# Altium PCB EASY-EAI-Nano-TB V1.01.PCBDOC (part 4 of 7) (continued)
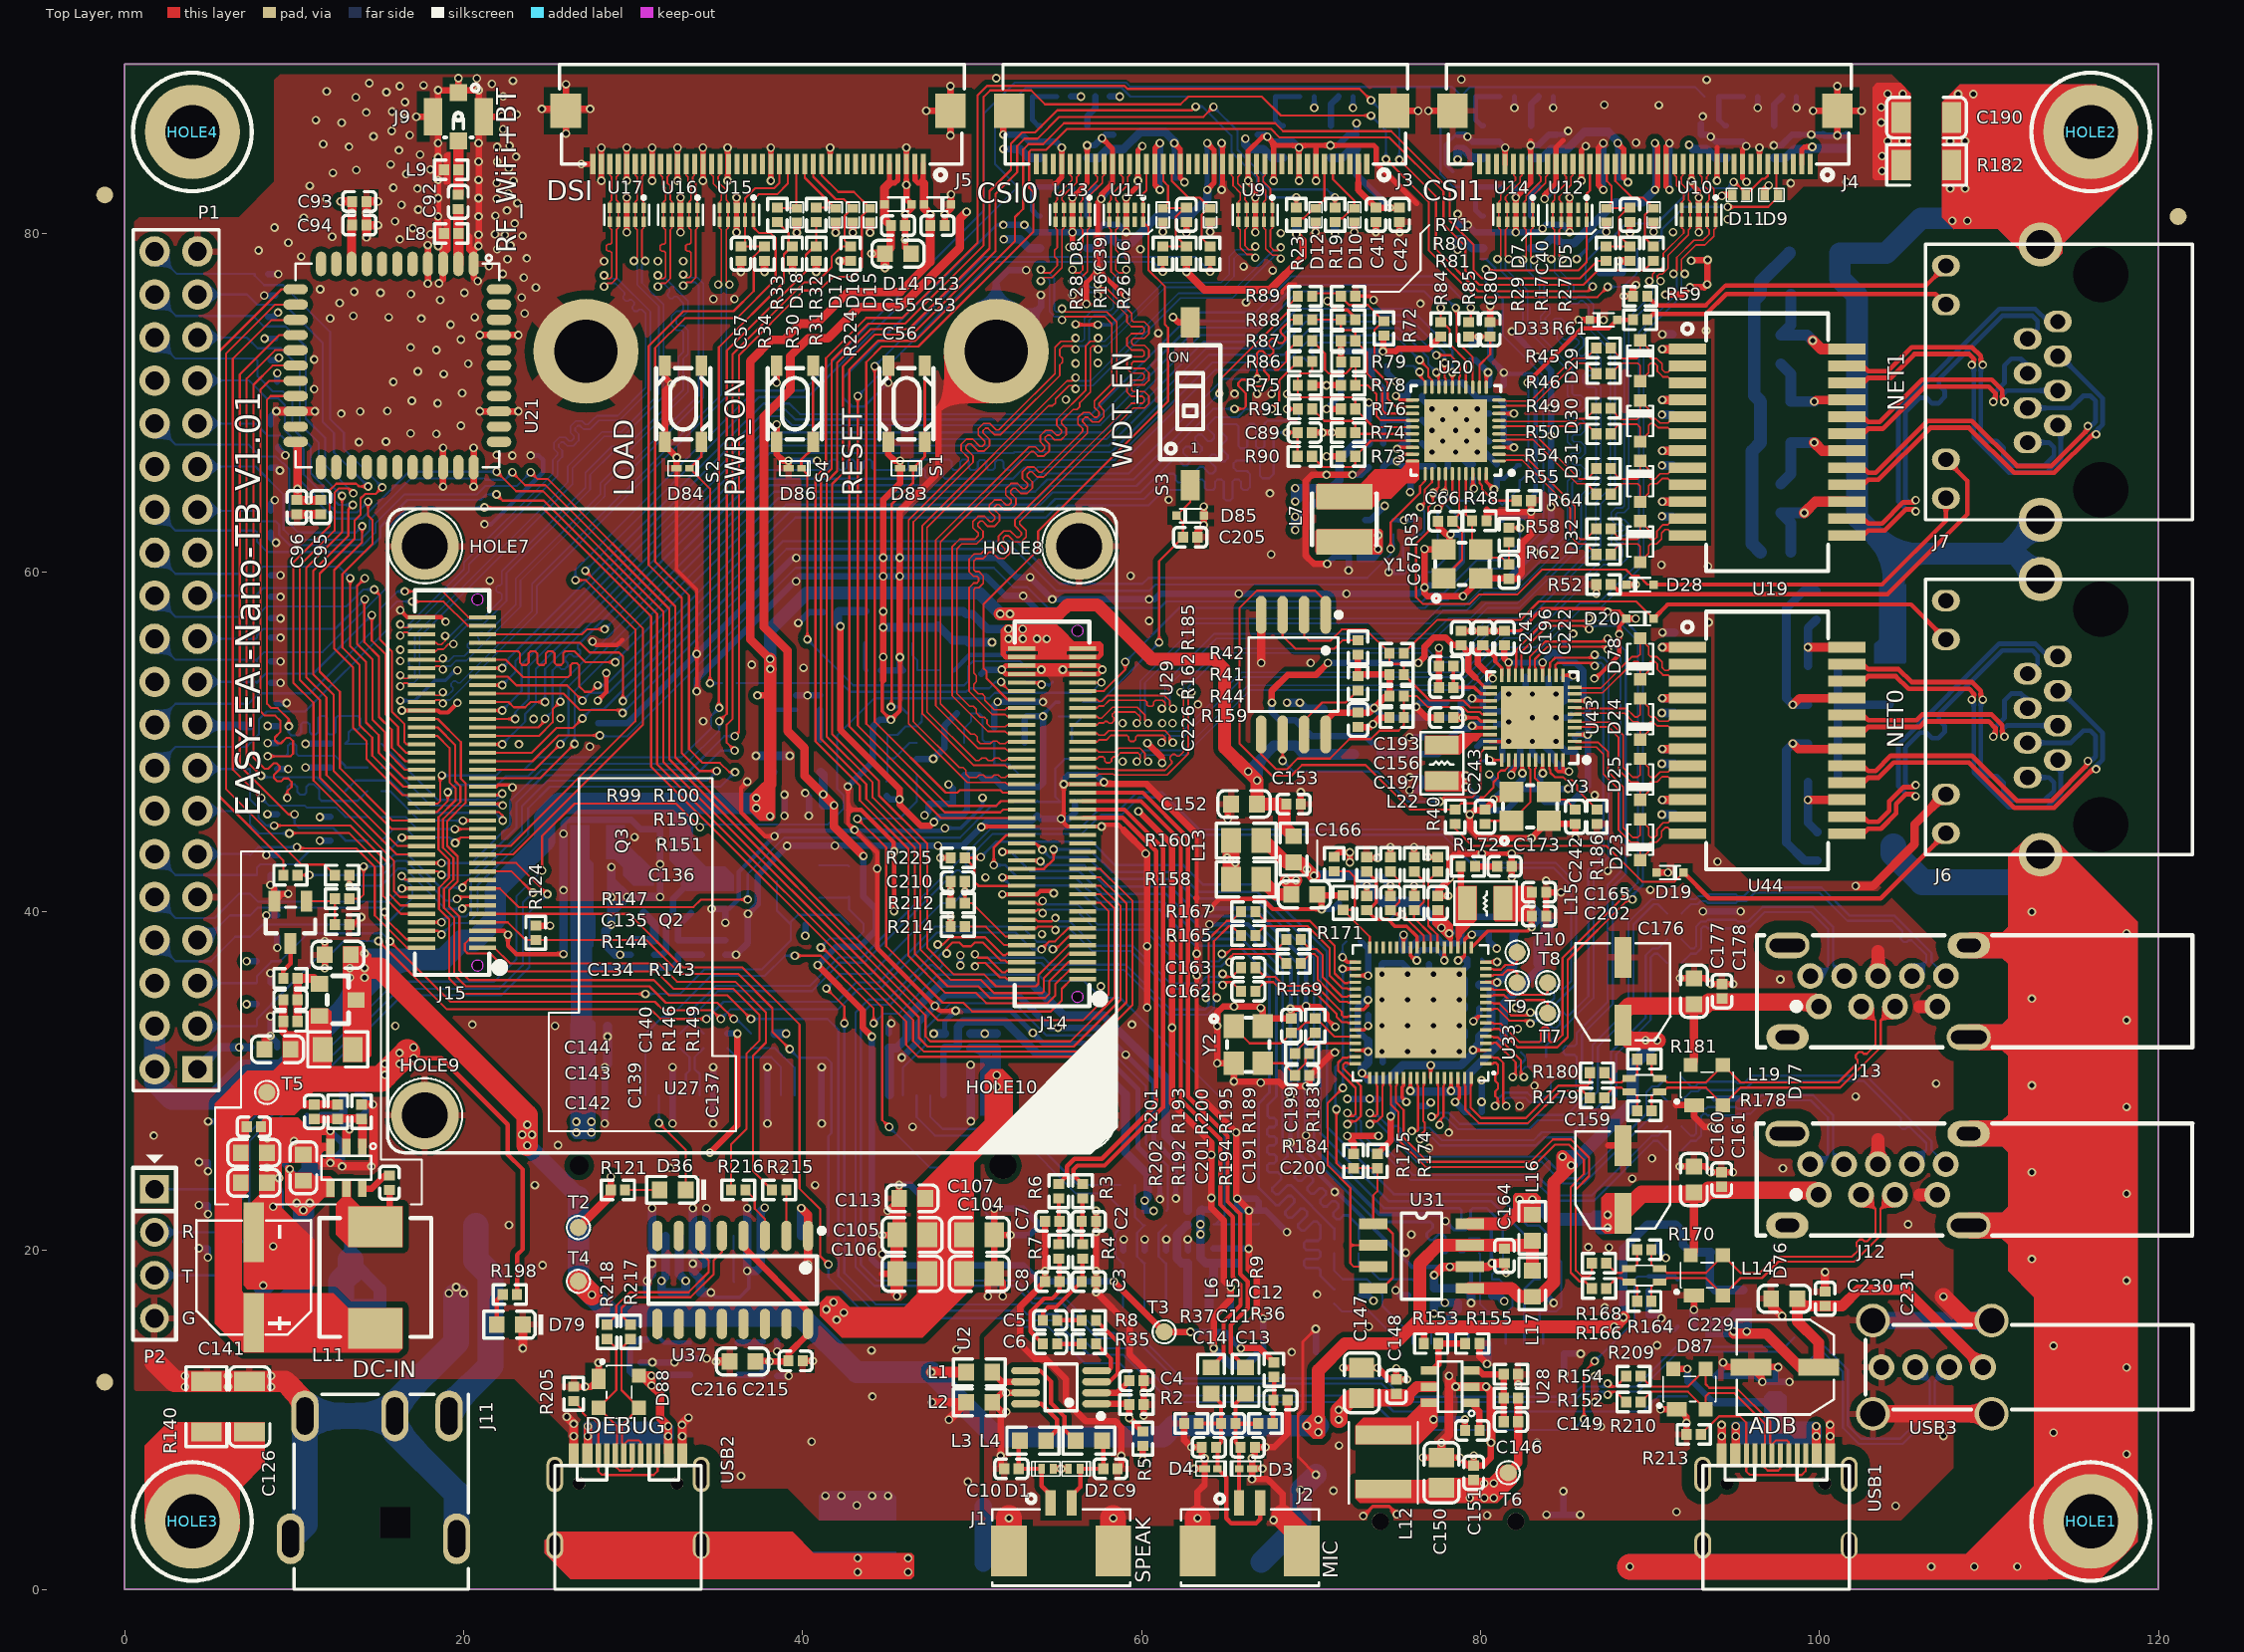
[diagram p0: Top Layer view]
## Nets (pads, with @x,y where several pads share a name; then routed paths per layer and width w, separated by ;. In a path a pad name is that pad's centre, name@x,y a point inside that pad or via, vN(x,y) a via of type N, cw(c..) or ccw(c..) an arc to the next point about the centre after c; other vN are vias at no path point) (continued)
  Bottom Layer w0.127: v1(63.198,87.494) 63.593,87.494 65.304,85.783 65.304,84.82 66.804,83.32 66.804,82.794 67.459,82.139 v1(69.129,82.139) R22.2@69.129,81.528
I2C3_SCL_M2: J15.34 R31.2 R32.1 | length 52.3
  Top Layer w0.127: J15.34@17.524,45.859 18.417,45.859 19.075,46.518 v1(19.075,47.041) ; v1(35.085,51.224) 35.531,51.67 35.531,73.105 40.193,77.767 40.193,78.747 40.687,79.242 R31.2@40.808,79.242 R32.1@40.808,80.678
  Bottom Layer w0.127: v1(19.075,47.041) 19.504,47.469 21.996,47.469 22.507,47.981 23.811,47.981 24.55,48.72 33.131,48.72 35.085,50.674 v1(35.085,51.224)
I2C3_SDA_M2: J15.36 R30.2 R33.1 | length 52
  Top Layer w0.127: J15.36@17.524,46.359 18.473,46.359 18.618,46.505 18.618,47.93 v1(18.72,48.031) ; v1@35.062,52.012 35.062,73.298 38.896,77.131 38.896,78.771 39.367,79.242 R30.2@39.411,79.242 39.18,79.473 39.18,80.02 R33.1@38.522,80.678
  Bottom Layer w0.127: v1(18.72,48.031) 18.731,48.02 21.923,48.02 22.262,48.359 23.584,48.359 24.312,49.087 32.869,49.087 34.607,50.825 34.607,51.534 v1(35.085,52.012)
I2C4_SCL_M2: J14.5 R20.2 R21.1 | length 119.2
  Top Layer w0.127: J14.5@56.524,37.01 55.671,37.01 54.568,35.908 54.568,35.148 54.311,34.891 51.067,34.891 50.377,35.58 48.563,35.58 46.62,37.522 46.62,43.777 43.761,46.636 43.761,47.511 41.091,50.181 41.091,65.499 41.716,66.125 41.716,72.514 43.897,74.696 46.068,74.696 50.689,79.317 50.689,82.694 50.689,88.069 51.073,88.453 53.491,88.453 54.313,87.63 62.309,87.63 62.758,88.079 67.107,88.079 68.221,86.965 v1(73.543,86.965) ; v1(74.425,84.392) 76.942,81.874 76.942,79.018 79.709,76.251 86.894,76.251 v1(87.504,76.861)
  Bottom Layer w0.127: v1(73.543,86.965) 74.425,86.084 v1(74.425,84.392) ; v1(87.504,76.861) 88.426,76.861 89.208,77.643 R20.2@89.208,77.706 89.247,77.745 R21.1@89.247,79.103
I2C4_SDA_M2: J14.3 R24.2 R25.1 | length 118.3
  Top Layer w0.127: J14.3@56.524,36.511 55.715,36.51 54.912,35.707 54.912,35.03 54.472,34.59 50.845,34.59 50.242,35.193 48.44,35.193 46.24,37.393 46.24,43.688 43.379,46.55 43.379,47.426 40.767,50.038 40.767,65.659 41.386,66.278 41.386,72.651 43.761,75.026 45.892,75.026 50.332,79.466 50.332,82.637 50.332,88.168 50.885,88.722 58.996,88.722 59.174,88.544 72.865,88.544 v1(73.543,87.866) ; v1(75.205,84.363) 77.378,82.189 77.378,79.078 79.854,76.602 86.347,76.602 v1(86.619,76.874)
  Bottom Layer w0.127: v1(73.543,87.866) 75.205,86.204 v1(75.205,84.363) ; v1(86.619,76.874) 86.199,77.294 R24.2@86.199,77.706 86.199,78.341 R25.1@87.088,79.23
I2C5_SCL_M0: D49.2 J14.13 P1.5 R157.2 | length 58.8
  Top Layer w0.127: v1(15.656,38.234) 19.22,34.671 31.287,34.671 31.795,34.163 34.671,34.163 v1(35.179,33.655) ; v1(54.102,37.763) 54.12,37.763 54.127,37.77 54.127,37.798 54.56,38.231 54.894,38.231 55.673,39.01 J14.13@56.524,39.01
  Bottom Layer w0.127: P1.5@4.31,35.77 D49.2@7.784,35.77 ; D49.2@7.81,35.796 7.81,36.19 8.635,37.015 R157.2@8.635,37.066 9.185,37.066 10.829,38.71 15.181,38.71 15.187,38.704 15.206,38.704 15.466,38.444 15.466,38.425 v1(15.656,38.234) ; v1(35.179,33.655) 35.745,34.221 42.095,34.221 43.307,35.433 44.612,35.433 47.931,38.752 52.562,38.752 53.552,37.763 v1(54.102,37.763)
I2C5_SDA_M0: D48.2 J14.11 P1.3 R156.2 | length 59.5
  Top Layer w0.127: v1(14.986,38.252) 19.017,34.221 31.057,34.221 31.623,33.655 v1(34.327,33.655) ; v1(54.762,37.77) 54.94,37.77 55.681,38.51 J14.11@56.524,38.511
  Bottom Layer w0.127: P1.3@4.31,33.23 D48.2@7.784,33.23 ; D48.2@7.81,33.256 7.81,33.657 8.635,34.482 R156.2@8.635,34.526 11.708,37.599 12.284,37.599 12.944,38.26 14.979,38.26 v1(14.986,38.252) ; v1(34.327,33.655) 35.343,34.671 42.037,34.671 43.18,35.814 44.514,35.814 47.798,39.098 52.944,39.098 53.835,38.207 54.325,38.207 v1(54.762,37.77)
I2C_SCL_CAP/: D17.1 J5.15 R32.2 | length 4.5
  Top Layer w0.127: J5.15@40.129,84.101 40.129,83.298 41.924,81.503 D17.1@41.951,81.503 41.926,81.528 R32.2@40.808,81.528
I2C_SDA_CAP/: D18.1 J5.16 R33.2 | length 3.8
  Top Layer w0.127: R33.2@38.522,81.528 38.547,81.503 D18.1@39.665,81.503 39.629,81.539 J5.16@39.629,84.101
LED0/SPICSB: R40.1 U29.1 U43.32 | length 34.3
  Top Layer w0.127: U29.1@70.866,57.505 70.866,58.315 70.253,58.928 66.802,58.928 65.778,57.904 65.778,49.919 67.691,48.006 68.834,48.006 69.469,48.641 73.216,48.641 75.839,46.018 R40.1@78.511,46.018 78.874,46.38 79.654,46.38 80.01,46.736 80.188,46.736 80.772,47.32 80.772,47.625 81.026,47.879 81.026,48.133 81.213,48.32 81.433,48.32 81.658,48.545 U43.32@81.658,48.936
LED1/SPISCK: U29.6 U43.30 | length 17.3
  Top Layer w0.127: v1(68.326,48.895) U29.6@68.326,50.445 ; v1(77.597,46.482) 77.864,46.749 79.515,46.749 80.01,47.244 80.01,49.378 80.267,49.635 U43.30@80.559,49.635
  Bottom Layer w0.127: v1(68.326,48.895) 68.961,48.26 73.914,48.26 75.692,46.482 v1(77.597,46.482)
LED2/SPISDO/LANWAKEB: R41.1 R42.1 U29.2 U43.24 | length 15
  Top Layer w0.127: U29.2@69.596,57.505 69.596,56.261 69.875,55.982 71.155,55.982 71.815,56.642 73.235,56.642 R42.1@74.632,55.245 74.632,54.781 74.803,54.61 75.309,54.61 75.482,54.437 R41.1@75.482,53.975 77.006,52.451 78.987,52.451 79.404,52.035 U43.24@80.559,52.035
LED_G+: D20.2 J6.11 R42.2 | length 34.9
  Top Layer w0.127: R42.2@75.482,55.245 77.438,57.201 82.353,57.201 83.445,58.293 89.192,58.293 D20.2@90.208,57.277
  Top Layer w0.254: D20.2@90.208,57.277 91.044,58.113 105.398,58.113 J6.11@107.46,56.051
LED_Y+: D19.2 J6.9 R40.2 | length 33.2
  Top Layer w0.127: R40.2@78.511,45.422 78.511,44.882 79.527,43.866 87.429,43.866 89.537,41.758 91.453,41.758 D19.2@91.986,42.291
  Top Layer w0.254: D19.2@91.986,42.291 93.51,40.767 103.606,40.767 J6.9@107.46,44.621
MDI0/_N: J6.2 U44.14 | length 21.3
  Top Layer w0.279: U44.14@101.61,45.589 102.575,45.589 102.872,45.292 103.458,45.292 104.115,45.949 104.115,46.506 104.943,47.334 105.547,47.334 v1(105.674,47.461)
  Bottom Layer w0.279: v1(105.674,47.461) 105.547,47.334 105.277,47.334 105.063,47.548 105.063,49.673 105.946,50.556 106.314,50.556 106.644,50.226 107.012,50.226 107.38,50.595 107.38,50.963 107.051,51.292 107.051,51.661 110.783,55.393 112.561,55.393 112.866,55.088 112.866,54.617 J6.2@112.28,54.031
MDI0/_P: J6.1 U44.13 | length 21.3
  Top Layer w0.279: U44.13@101.61,44.589 102.572,44.589 102.869,44.885 103.626,44.885 104.521,45.78 104.521,46.337 105.111,46.927 105.547,46.927 v1(105.674,46.8)
  Bottom Layer w0.279: v1(105.674,46.8) 105.547,46.927 105.109,46.927 104.656,47.38 104.656,49.841 110.614,55.799 112.73,55.799 113.478,55.051 J6.1@114.06,55.051
MDI0_N: D23.1 U43.2 U44.11 | length 13.5
  Top Layer w0.102: U43.2@85.557,50.035 85.618,49.975 86.96,49.975 87.531,49.403 87.531,48.232 88.417,47.346 88.417,44.938 88.986,44.369 89.281,44.369 89.418,44.506 D23.1@89.418,45.441 89.921,44.938 89.921,44.482 90.032,44.371 90.271,44.371 90.409,44.508 90.409,44.859 90.778,45.228 91.057,45.228 91.418,45.589 U44.11@92.21,45.589
MDI0_P: D23.2 U43.1 U44.12 | length 13.5
  Top Layer w0.102: U43.1@85.557,49.635 85.618,49.695 86.844,49.695 87.252,49.287 87.252,48.116 88.138,47.23 88.138,44.822 88.87,44.09 89.281,44.09 89.418,43.953 D23.2@89.418,43.028 89.921,43.532 89.921,43.981 90.032,44.091 90.387,44.091 90.688,44.392 90.688,44.743 90.894,44.949 91.057,44.949 91.418,44.588 U44.12@92.21,44.589
MDI1/_N: J6.6 U44.17 | length 23.1
  Top Layer w0.279: U44.17@101.61,48.589 102.575,48.589 102.872,48.292 103.31,48.292 104.208,49.19 108.991,49.19 111.652,46.528 113.679,46.528 115.838,48.687 v1(115.838,48.881)
  Bottom Layer w0.279: J6.6@112.28,49.951 114.841,49.951 115.558,50.668 115.974,50.668 116.295,50.347 116.295,49.144 116.032,48.881 v1(115.838,48.881)
MDI1/_P: J6.3 U44.16 | length 23.2
  Top Layer w0.279: U44.16@101.61,47.589 102.572,47.589 102.869,47.885 103.478,47.885 104.376,48.783 108.822,48.783 111.484,46.122 113.847,46.122 116.125,48.4 v1(116.32,48.4)
  Bottom Layer w0.279: J6.3@114.06,53.011 114.206,53.011 116.701,50.516 116.701,48.976 116.32,48.594 v1(116.32,48.4)
MDI1_N: D25.1 U43.5 U44.8 | length 11.1
  Top Layer w0.102: U43.5@85.557,51.235 85.618,51.175 87.65,51.175 88.417,50.408 88.417,48.494 88.986,47.925 89.281,47.925 89.418,48.062 D25.1@89.418,48.997 89.921,48.494 89.921,48.038 90.032,47.927 90.302,47.927 90.603,48.228 91.057,48.228 91.418,48.589 U44.8@92.21,48.589
MDI1_P: D25.2 U43.4 U44.9 | length 11.1
  Top Layer w0.102: U43.4@85.557,50.835 85.618,50.895 87.535,50.895 88.138,50.292 88.138,48.378 88.87,47.646 89.281,47.646 89.418,47.509 D25.2@89.418,46.584 89.921,47.088 89.921,47.537 90.032,47.647 90.418,47.647 90.719,47.949 91.057,47.949 91.418,47.588 U44.9@92.21,47.589
MDI2/_N: J6.5 U44.20 | length 14.3
  Top Layer w0.279: U44.20@101.61,51.589 102.575,51.589 102.872,51.292 105.721,51.292 106.051,51.621 110.16,51.621 110.783,50.998 110.783,50.44 v1(110.91,50.313)
  Bottom Layer w0.279: v1(110.91,50.313) 110.783,50.44 110.783,50.715 111.04,50.971 J6.5@114.06,50.971
MDI2/_P: J6.4 U44.19 | length 14.3
  Top Layer w0.279: U44.19@101.61,50.589 102.572,50.589 102.869,50.885 105.89,50.885 106.219,51.215 109.992,51.215 110.377,50.83 110.377,50.44 v1(110.25,50.313)
  Bottom Layer w0.279: v1(110.25,50.313) 110.377,50.44 110.377,50.883 110.91,51.416 110.91,52.446 111.317,52.853 111.888,52.853 112.28,52.461 J6.4@112.28,51.991
MDI2_N: D24.1 U43.7 U44.5 | length 8.8
  Top Layer w0.102: U43.7@85.557,52.035 85.618,51.975 88.614,51.975 89.108,51.481 89.281,51.481 89.418,51.618 D24.1@89.418,52.553 89.921,52.05 89.921,51.594 90.032,51.483 90.289,51.483 90.543,51.228 91.057,51.228 91.418,51.589 U44.5@92.21,51.589
MDI2_P: D24.2 U43.6 U44.6 | length 8.8
  Top Layer w0.102: U43.6@85.557,51.635 85.618,51.695 88.499,51.695 88.992,51.202 89.281,51.202 89.418,51.065 D24.2@89.418,50.14 89.921,50.644 89.921,51.093 90.032,51.203 90.173,51.203 90.427,50.949 91.057,50.949 91.418,50.588 U44.6@92.21,50.589
MDI3/_N: J6.8 U44.23 | length 21.1
  Top Layer w0.279: U44.23@101.61,54.589 102.575,54.589 102.872,54.292 104.674,54.292 105.428,53.538 108.996,53.538 109.513,53.021 109.513,52.624 v1(109.64,52.497)
  Bottom Layer w0.279: v1(109.64,52.497) 109.513,52.37 109.513,48.373 109.885,48.001 110.453,48.001 110.859,47.595 110.859,47.027 111.333,46.553 113.256,46.553 113.831,47.128 113.831,47.62 113.54,47.911 J6.8@112.28,47.911
MDI3/_P: J6.7 U44.22 | length 21.2
  Top Layer w0.279: U44.22@101.61,53.589 102.572,53.589 102.869,53.886 104.506,53.886 105.259,53.132 108.827,53.132 109.107,52.853 109.107,52.624 v1(108.98,52.497)
  Bottom Layer w0.279: v1(108.98,52.497) 109.107,52.37 109.107,48.204 111.164,46.147 113.425,46.147 114.238,46.96 114.238,48.753 J6.7@114.06,48.931
MDI3_N: D78.1 U43.10 U44.2 | length 9.8
  Top Layer w0.102: U43.10@85.557,53.235 85.618,53.175 87.084,53.175 88.946,55.037 89.281,55.037 89.418,55.174 D78.1@89.418,56.109 89.921,55.606 89.921,55.15 90.032,55.039 90.396,55.039 90.713,54.721 90.713,54.393 90.878,54.228 91.057,54.228 91.418,54.589 U44.2@92.21,54.589
MDI3_P: D78.2 U43.9 U44.3 | length 9.8
  Top Layer w0.102: U43.9@85.557,52.835 85.618,52.895 87.2,52.895 89.062,54.758 89.281,54.758 89.418,54.621 D78.2@89.418,53.696 89.921,54.2 89.921,54.649 90.032,54.759 90.28,54.759 90.434,54.605 90.434,54.277 90.762,53.949 91.057,53.949 91.418,53.589 U44.3@92.21,53.589
MIC0_N: J14.43 L6.1 | length 40
  Top Layer w0.254: J14.43@56.524,46.511 59.965,46.51 62.316,44.159 62.316,28.897 64.642,26.571 64.642,22.715 65.386,21.971 65.386,18.43 65.837,17.979 65.837,16.764 64.846,15.773 64.846,13.833 L6.1@64.107,13.094
MIC0_P: J14.45 L5.1 | length 40.8
  Top Layer w0.254: J14.45@56.524,47.01 60.076,47.01 62.748,44.338 62.748,29.076 65.074,26.749 65.074,22.894 65.818,22.15 65.818,18.609 66.269,18.158 66.269,16.585 65.278,15.595 65.278,13.955 L5.1@66.139,13.094
MIC_N: C11.2 C14.2 D4.1 J2.2 L6.2 R37.2 | length 12.6
  Top Layer w0.254: R37.2@63.366,9.779 63.371,9.784 C11.2@64.698,9.784 ; L6.2@64.055,11.606 L6.2@64.107,11.554 64.698,10.963 64.698,8.68 C14.2@64.405,8.387 64.488,8.304 D4.1@64.488,7.117 64.999,6.606 64.999,4.191 65.303,3.886 66.753,3.886 67.008,4.141 J2.2@67.008,5.085
MIC_P: C11.1 C13.2 D3.1 J2.1 L5.2 R36.1 | length 8.2
  Top Layer w0.254: J2.1@65.758,5.085 D3.1@65.758,7.117 65.758,8.304 C13.2@65.841,8.387 65.548,8.68 C11.1@65.548,9.784 ; L5.2@66.139,11.554 65.548,10.963 C11.1@65.548,9.784 ; R36.1@66.885,9.779 65.553,9.779 C11.1@65.548,9.784
MIPI_CSI0_I2C_SCL: D10.2 J3.5 R19.2 | length 4.6
  Top Layer w0.127: J3.5@71.291,84.101 71.291,83.21 72.558,81.943 D10.2@72.558,81.503 72.45,81.503 71.851,80.904 71.641,80.904 R19.2@71.415,80.678
MIPI_CSI0_I2C_SDA: D12.2 J3.6 R23.2 | length 4.3
  Top Layer w0.127: R23.2@69.129,80.678 69.355,80.904 69.565,80.904 70.164,81.503 D12.2@70.272,81.503 70.791,82.022 J3.6@70.791,84.101
MIPI_CSI0_PWDN/: D6.2 J3.24 R26.2 | length 6.7
  Top Layer w0.127: J3.24@61.791,84.101 61.791,83.107 62.779,82.119 63.433,82.119 D6.2@64.049,81.503 63.941,81.503 63.541,81.103 63.541,79.75 R26.2@64.049,79.242
MIPI_CSI0_RST/: C39.2 D8.2 J3.25 R16.1 R28.2 | length 8.4
  Top Layer w0.127: R28.2@61.255,79.242 R16.1@62.652,79.242 62.017,79.877 62.017,80.981 C39.2@62.539,81.503 ; J3.25@61.291,84.101 61.291,83.099 61.57,82.82 61.57,81.818 D8.2@61.255,81.503 C39.2@62.539,81.503 ; C39.2@62.652,81.528 62.564,81.528 C39.2@62.539,81.503
MIPI_CSI0_RX_CLK_N: J3.30 J14.50 U11.5 U11.6 | length 52.3
  Top Layer w0.102: J14.50@52.925,48.01 52.074,48.01 51.963,47.9 51.708,47.9 51.549,48.059 51.318,48.059 51.159,47.9 50.82,47.9 50.661,48.059 50.43,48.059 50.271,47.9 49.846,47.9 49.641,48.106 49.641,48.33 49.477,48.493 49.253,48.493 46.54,51.206 46.54,62.989 49.885,66.335 50.061,66.51 50.061,66.885 49.638,67.308 49.638,67.452 49.782,67.596 49.925,67.596 50.348,67.173 50.724,67.173 51.031,67.48 51.031,67.855 50.654,68.232 50.654,68.376 50.798,68.519 50.941,68.519 51.318,68.143 51.693,68.143 52.467,68.916 55.179,71.628 55.179,72.252 55.331,72.403 55.331,72.646 55.179,72.798 55.179,73.182 55.363,73.366 55.918,73.366 v1(56.109,73.176) ; J3.30@58.791,84.101 58.791,83.45 58.901,83.34 58.901,82.982 58.206,82.287 58.206,81.983 58.096,81.873 U11.5@58.096,81.518 U11.6@58.096,80.688 58.096,80.333 58.206,80.223 58.206,77.749 58.554,77.401 58.905,77.401 v1(59.096,77.211)
  Bottom Layer w0.102: v1(56.109,73.176) 56.299,73.366 56.615,73.366 56.906,73.657 56.906,74.889 57.202,75.184 58.272,75.184 58.608,75.52 58.608,77.267 58.742,77.401 58.905,77.401 v1(59.096,77.211)
MIPI_CSI0_RX_CLK_P: J3.29 J14.48 U11.4 U11.7 | length 52.3
  Top Layer w0.102: J14.48@52.925,47.511 52.074,47.51 51.963,47.621 49.73,47.621 46.26,51.091 46.26,63.105 49.305,66.149 49.688,66.532 49.782,66.626 49.782,66.77 49.359,67.193 49.359,67.568 49.666,67.875 50.041,67.875 50.464,67.452 50.608,67.452 50.752,67.596 50.752,67.739 50.375,68.116 50.375,68.491 50.682,68.799 51.057,68.799 51.434,68.422 51.578,68.422 52.269,69.113 52.445,69.289 54.899,71.744 54.899,73.297 55.248,73.646 55.918,73.646 v1(56.109,73.836) ; v1(59.096,77.871) 58.905,77.681 58.67,77.681 58.486,77.865 58.486,78.438 58.633,78.586 58.633,78.889 58.486,79.036 58.486,80.223 58.596,80.333 U11.7@58.596,80.688 U11.4@58.596,81.518 58.596,81.873 58.486,81.983 58.486,82.181 59.181,82.876 59.181,83.34 59.291,83.45 J3.29@59.291,84.101
  Bottom Layer w0.102: v1(56.109,73.836) 56.299,73.646 56.5,73.646 56.627,73.773 56.627,75.004 57.086,75.464 58.156,75.464 58.328,75.636 58.328,77.383 58.627,77.681 58.905,77.681 v1(59.096,77.871)
MIPI_CSI0_RX_D0_N: J3.33 J14.66 U13.2 U13.9 | length 52.2
  Top Layer w0.102: J14.66@52.925,52.01 52.074,52.01 51.963,51.9 51.321,51.9 50.762,52.459 50.762,52.683 50.598,52.847 50.374,52.847 50.105,53.116 50.105,53.406 50.261,53.562 50.261,53.919 50.105,54.076 50.105,58.994 50.206,59.095 50.398,59.095 50.663,59.361 50.663,59.795 50.398,60.061 50.206,60.061 50.105,60.162 50.105,60.678 50.241,60.815 50.586,60.815 50.63,60.815 51.022,61.207 51.165,61.207 51.542,60.831 51.73,60.831 51.917,60.831 52.225,61.138 52.225,61.513 51.848,61.89 51.848,62.033 51.992,62.177 52.135,62.177 52.512,61.8 52.703,61.8 52.887,61.8 53.194,62.108 53.194,62.483 52.818,62.86 52.818,63.003 52.912,63.097 59.522,69.708 60.171,69.708 60.437,69.973 60.437,70.408 60.171,70.673 59.522,70.673 59.421,70.774 59.421,70.978 59.522,71.079 60.171,71.079 60.437,71.345 60.437,71.779 60.171,72.044 59.522,72.044 59.421,72.146 59.421,72.349 59.522,72.451 60.171,72.451 60.437,72.716 60.437,73.151 60.171,73.416 59.522,73.416 59.421,73.518 59.421,73.721 59.522,73.822 60.171,73.822 60.437,74.088 60.437,74.522 60.171,74.788 59.522,74.788 59.421,74.889 59.421,75.301 57.905,76.817 57.605,76.817 v1(57.414,77.008) ; v1(55.921,77.871) 56.112,77.681 56.347,77.681 56.531,77.865 56.531,78.43 56.375,78.587 56.375,78.887 56.531,79.044 56.531,80.223 56.421,80.333 U13.9@56.421,80.688 U13.2@56.421,81.518 56.421,81.873 56.531,81.983 56.531,82.235 57.401,83.105 57.401,83.34 57.291,83.45 J3.33@57.291,84.101
  Bottom Layer w0.102: v1(55.921,77.871) 56.112,77.681 56.418,77.681 56.727,77.371 56.727,77.093 57.003,76.817 57.224,76.817 v1(57.414,77.008)
MIPI_CSI0_RX_D0_P: J3.32 J14.64 U13.1 U13.10 | length 52.3
  Top Layer w0.102: J14.64@52.925,51.511 52.074,51.51 51.963,51.621 51.205,51.621 49.825,53.001 49.825,58.529 49.825,59.11 50.09,59.375 50.282,59.375 50.384,59.476 50.384,59.68 50.282,59.781 50.09,59.781 49.825,60.047 49.825,60.295 49.825,60.794 50.122,61.091 50.125,61.094 50.514,61.094 50.906,61.487 51.281,61.487 51.658,61.11 51.802,61.11 51.945,61.254 51.945,61.397 51.569,61.774 51.569,62.149 51.876,62.456 52.251,62.456 52.628,62.08 52.771,62.08 52.915,62.224 52.915,62.367 52.538,62.744 52.538,63.119 52.714,63.295 59.406,69.987 60.056,69.987 60.157,70.089 60.157,70.292 60.056,70.393 59.406,70.393 59.141,70.659 59.141,71.093 59.406,71.359 60.056,71.359 60.157,71.46 60.157,71.663 60.056,71.765 59.406,71.765 59.141,72.03 59.141,72.465 59.406,72.73 60.056,72.73 60.157,72.832 60.157,73.035 60.056,73.137 59.406,73.137 59.141,73.402 59.141,73.837 59.406,74.102 60.056,74.102 60.157,74.203 60.157,74.407 60.056,74.508 59.406,74.508 59.141,74.774 59.141,75.185 57.789,76.538 57.605,76.538 v1(57.414,76.347) ; v1(55.921,77.211) 56.112,77.401 56.463,77.401 56.811,77.749 56.811,80.223 56.921,80.333 U13.10@56.921,80.688 U13.1@56.921,81.518 56.921,81.873 56.811,81.983 56.811,82.119 57.681,82.989 57.681,83.34 57.791,83.45 J3.32@57.791,84.101
  Bottom Layer w0.102: v1(55.921,77.211) 56.112,77.401 56.302,77.401 56.448,77.256 56.448,76.978 56.888,76.538 57.224,76.538 v1(57.414,76.347)
MIPI_CSI0_RX_D1_N: J3.36 J14.62 U13.5 U13.6 | length 52.2
  Top Layer w0.102: J14.62@52.925,51.01 52.074,51.01 51.963,50.9 51.063,50.9 50.884,51.079 50.884,51.303 50.72,51.467 50.496,51.467 50.248,51.715 50.248,51.939 50.084,52.103 49.86,52.103 49.105,52.858 49.105,61.4 49.389,61.684 50.272,61.684 50.651,62.064 50.651,62.439 50.336,62.754 50.336,62.898 50.479,63.041 50.623,63.041 50.938,62.726 51.314,62.726 51.621,63.034 51.621,63.409 51.306,63.724 51.306,63.868 51.449,64.011 51.593,64.011 51.908,63.696 52.283,63.696 52.591,64.003 52.591,64.379 52.275,64.694 52.275,64.838 52.419,64.981 52.563,64.981 52.878,64.666 53.253,64.666 53.561,64.973 53.561,65.348 53.245,65.664 53.245,65.807 53.389,65.951 53.533,65.951 53.848,65.636 54.223,65.636 54.348,65.76 56.814,68.226 56.814,68.601 56.534,68.881 56.534,69.024 56.678,69.168 56.822,69.168 57.101,68.889 57.476,68.889 57.783,69.196 57.783,69.571 57.504,69.851 57.504,69.994 58.533,71.023 58.533,74.797 57.948,75.382 55.496,75.382 v1(55.306,75.572) ; v1(54.061,77.871) 54.252,77.681 54.595,77.681 55.031,78.117 55.031,78.487 54.874,78.644 54.874,79.013 55.031,79.17 55.031,80.223 54.921,80.333 U13.6@54.921,80.688 U13.5@54.921,81.518 54.921,81.873 55.031,81.983 55.031,82.277 55.901,83.147 55.901,83.34 55.791,83.45 J3.36@55.791,84.101
  Bottom Layer w0.102: v1(54.061,77.871) 54.252,77.681 54.544,77.681 54.849,77.376 54.849,75.509 54.976,75.382 55.115,75.382 v1(55.306,75.572)
MIPI_CSI0_RX_D1_P: J3.35 J14.60 U13.4 U13.7 | length 52.3
  Top Layer w0.102: J14.60@52.925,50.511 52.074,50.51 51.963,50.621 50.947,50.621 48.825,52.743 48.825,61.516 49.273,61.964 50.156,61.964 50.372,62.179 50.372,62.323 50.056,62.638 50.056,63.014 50.364,63.321 50.739,63.321 51.054,63.006 51.198,63.006 51.342,63.149 51.342,63.293 51.026,63.608 51.026,63.983 51.334,64.291 51.709,64.291 52.024,63.975 52.168,63.975 52.311,64.119 52.311,64.263 51.996,64.578 51.996,64.953 52.303,65.261 52.679,65.261 52.994,64.945 53.138,64.945 53.281,65.089 53.281,65.233 52.966,65.548 52.966,65.923 53.273,66.23 53.648,66.23 53.964,65.915 54.107,65.915 54.15,65.958 54.244,66.052 56.44,68.248 56.534,68.342 56.534,68.486 56.255,68.765 56.255,69.14 56.562,69.447 56.937,69.447 57.217,69.168 57.36,69.168 57.504,69.312 57.504,69.455 57.225,69.735 57.225,70.11 58.253,71.139 58.253,74.682 57.833,75.103 55.496,75.103 v1(55.306,74.912) ; v1(54.061,77.211) 54.252,77.401 54.71,77.401 55.311,78.002 55.311,80.223 55.421,80.333 U13.7@55.421,80.688 U13.4@55.421,81.518 55.421,81.873 55.311,81.983 55.311,82.161 56.181,83.031 56.181,83.34 56.291,83.45 J3.35@56.291,84.101
  Bottom Layer w0.102: v1(54.061,77.211) 54.252,77.401 54.428,77.401 54.569,77.26 54.569,75.393 54.86,75.103 55.115,75.103 v1(55.306,74.912)
MIPI_CSI0_RX_D2_N: J3.14 J14.54 U9.2 U9.9 | length 52.3
  Top Layer w0.102: J14.54@52.925,49.01 52.074,49.01 51.963,48.9 51.739,48.9 51.581,49.059 51.349,49.059 51.191,48.9 50.962,48.9 50.804,49.059 50.572,49.059 50.414,48.9 50.225,48.9 47.351,51.774 47.351,62.665 54.533,69.846 54.757,69.846 54.92,70.01 54.92,70.234 55.716,71.029 55.918,71.029 v1(56.109,70.839) ; J3.14@66.791,84.101 66.791,83.45 66.901,83.34 66.901,82.97 67.326,82.545 67.326,81.983 67.216,81.873 U9.2@67.216,81.518 U9.9@67.216,80.688 67.216,80.333 67.326,80.223 67.326,79.116 67.72,78.722 68.025,78.722 v1(68.216,78.532)
  Bottom Layer w0.102: v1(56.109,70.839) 56.299,71.029 57.131,71.029 62.301,76.199 65.369,76.199 67.892,78.722 68.025,78.722 v1(68.216,78.532)
MIPI_CSI0_RX_D2_P: J3.13 J14.52 U9.1 U9.10 | length 52.3
  Top Layer w0.102: J14.52@52.925,48.511 52.074,48.51 51.963,48.621 50.11,48.621 47.072,51.659 47.072,62.78 55.6,71.309 55.918,71.309 v1(56.109,71.499) ; J3.13@67.291,84.101 67.291,83.45 67.181,83.34 67.181,83.086 67.606,82.661 67.606,81.983 67.716,81.873 U9.1@67.716,81.518 U9.10@67.716,80.688 67.716,80.333 67.606,80.223 67.606,79.231 67.836,79.001 68.025,79.001 v1(68.216,79.192)
  Bottom Layer w0.102: v1(56.109,71.499) 56.299,71.309 57.015,71.309 62.185,76.479 65.254,76.479 67.776,79.001 68.025,79.001 v1(68.216,79.192)
MIPI_CSI0_RX_D3_N: J3.17 J14.58 U9.5 U9.6 | length 52.2
  Top Layer w0.102: J14.58@52.925,50.01 52.074,50.01 51.963,49.9 51.63,49.9 51.472,50.059 51.24,50.059 51.082,49.9 50.492,49.9 50.313,50.079 50.313,50.303 50.149,50.467 49.925,50.467 48.137,52.255 48.137,61.796 52.297,65.956 53.48,67.139 53.624,67.139 53.883,66.879 54.259,66.879 54.566,67.186 54.566,67.562 54.306,67.821 54.306,67.965 54.45,68.108 54.594,68.108 54.873,67.829 55.248,67.829 55.556,68.136 55.556,68.512 55.276,68.791 55.276,68.935 55.37,69.028 55.969,69.628 56.193,69.628 56.357,69.792 56.357,70.016 56.989,70.648 56.989,73.252 57.103,73.366 57.249,73.366 v1(57.439,73.176) ; J3.17@65.291,84.101 65.291,83.45 65.401,83.34 65.401,82.833 65.826,82.408 65.826,81.983 65.716,81.873 U9.5@65.716,81.518 U9.6@65.716,80.688 65.716,80.333 65.826,80.223 65.826,79.166 66.22,78.773 66.526,78.773 v1(66.716,78.582)
  Bottom Layer w0.102: v1(57.439,73.176) 57.63,73.366 57.936,73.366 61.402,76.832 64.81,76.832 65.459,77.481 65.459,78.537 65.694,78.773 66.526,78.773 v1(66.716,78.582)
MIPI_CSI0_RX_D3_P: J3.16 J14.56 U9.4 U9.7 | length 52.3
  Top Layer w0.102: J14.56@52.925,49.511 52.074,49.51 51.963,49.621 50.377,49.621 47.858,52.14 47.858,61.911 53.364,67.418 53.74,67.418 53.999,67.158 54.143,67.158 54.286,67.302 54.286,67.446 54.027,67.705 54.027,68.08 54.334,68.388 54.709,68.388 54.989,68.108 55.133,68.108 55.276,68.252 55.276,68.396 54.997,68.675 54.997,69.05 56.71,70.763 56.71,73.368 56.987,73.646 57.249,73.646 v1(57.439,73.836) ; J3.16@65.791,84.101 65.791,83.45 65.681,83.34 65.681,82.949 66.106,82.524 66.106,81.983 66.216,81.873 U9.4@66.216,81.518 U9.7@66.216,80.688 66.216,80.333 66.106,80.223 66.106,79.282 66.336,79.052 66.526,79.052 v1(66.716,79.243)
  Bottom Layer w0.102: v1(57.439,73.836) 57.63,73.646 57.82,73.646 61.287,77.112 64.695,77.112 65.18,77.597 65.18,78.653 65.579,79.052 66.526,79.052 v1(66.716,79.243)
MIPI_CSI1_I2C_SCL: D9.2 J4.5 R21.2 | length 11
  Top Layer w0.127: v1(94.584,81.576) 96.971,81.576 97.565,82.17 D9.2@97.565,82.278 97.453,82.39 J4.5@97.453,84.101
  Bottom Layer w0.127: R21.2@90.097,79.103 90.688,79.694 90.688,80.246 92.018,81.576 v1(94.584,81.576)
MIPI_CSI1_I2C_SDA: D11.2 J4.6 R25.2 | length 12.6
  Top Layer w0.127: v1(94.935,83.045) 95.001,83.045 95.66,82.386 D11.2@95.66,82.278 96.618,83.236 96.775,83.236 96.953,83.415 J4.6@96.953,84.101
  Bottom Layer w0.127: R25.2@87.938,79.23 87.938,79.942 88.59,80.594 90.401,80.594 92.485,82.678 94.568,82.678 v1(94.935,83.045)
MIPI_CSI1_PWDN/: D5.2 J4.24 R27.2 | length 6.7
  Top Layer w0.127: J4.24@87.953,84.101 87.953,83.107 88.941,82.119 89.595,82.119 D5.2@90.211,81.503 90.103,81.503 89.703,81.103 89.703,79.75 R27.2@90.211,79.242
MIPI_CSI1_RST/: C40.2 D7.2 J4.25 R17.1 R29.2 | length 8.4
  Top Layer w0.127: R29.2@87.417,79.242 R17.1@88.814,79.242 88.179,79.877 88.179,80.981 C40.2@88.701,81.503 ; J4.25@87.453,84.101 87.453,83.099 87.732,82.82 87.732,81.818 D7.2@87.417,81.503 C40.2@88.701,81.503 ; C40.2@88.814,81.528 88.726,81.528 C40.2@88.701,81.503
MIPI_CSI1_RX_CLK_N: J4.30 J14.51 U12.5 U12.6 | length 65.1
  Top Layer w0.102: J14.51@56.524,48.511 57.375,48.51 57.486,48.4 58.432,48.4 58.496,48.336 61.394,48.336 61.782,48.725 61.782,48.878 61.678,48.982 61.678,49.121 61.832,49.275 61.975,49.275 62.078,49.171 62.229,49.171 62.481,49.424 62.481,52.751 v1(62.291,52.941) ; v1(84.178,78.5) 84.368,78.69 84.368,80.223 84.258,80.333 U12.6@84.258,80.688 U12.5@84.258,81.518 84.258,81.873 84.368,81.983 84.368,82.287 85.063,82.982 85.063,83.34 84.953,83.45 J4.30@84.953,84.101
  Bottom Layer w0.102: v1(62.291,52.941) 62.481,53.132 62.481,53.363 64.643,55.524 76.81,55.524 77.343,54.991 78.624,54.991 80.001,56.368 80.001,56.828 80.475,57.302 82.454,57.302 86.809,61.657 86.809,64.145 87.653,64.989 87.653,73.124 86.381,74.396 86.381,75.701 86.045,76.037 85.901,76.037 85.723,75.859 85.348,75.859 85.041,76.166 85.041,76.541 85.219,76.719 85.219,76.863 84.368,77.713 84.368,78.309 v1(84.178,78.5)
MIPI_CSI1_RX_CLK_P: J4.29 J14.49 U12.4 U12.7 | length 65.1
  Top Layer w0.102: J14.49@56.524,48.01 57.375,48.01 57.486,48.121 58.317,48.121 58.38,48.057 61.51,48.057 62.761,49.308 62.761,52.751 v1(62.951,52.941) ; v1(84.838,78.5) 84.648,78.69 84.648,80.223 84.758,80.333 U12.7@84.758,80.688 U12.4@84.758,81.518 84.758,81.873 84.648,81.983 84.648,82.181 85.343,82.876 85.343,83.34 85.453,83.45 J4.29@85.453,84.101
  Bottom Layer w0.102: v1(62.951,52.941) 62.761,53.132 62.761,53.247 64.759,55.245 76.694,55.245 77.227,54.712 78.739,54.712 80.28,56.253 80.28,56.712 80.591,57.023 82.57,57.023 87.088,61.541 87.088,64.029 87.932,64.873 87.932,73.24 86.66,74.512 86.66,75.817 86.161,76.316 85.785,76.316 85.608,76.138 85.464,76.138 85.32,76.282 85.32,76.426 85.498,76.604 85.498,76.979 84.648,77.829 84.648,78.309 v1(84.838,78.5)
MIPI_CSI1_RX_D0_N: J4.33 J14.65 U14.2 U14.9 | length 65.1
  Top Layer w0.102: J14.65@56.524,52.01 57.375,52.01 57.486,52.121 57.765,52.121 58.101,52.456 60.213,52.456 60.314,52.355 60.314,52.207 60.416,52.106 60.619,52.106 60.721,52.207 60.721,52.355 60.822,52.456 61.239,52.456 61.389,52.306 61.389,52.16 v1(61.199,51.969) ; v1(82.503,78.449) 82.693,78.639 82.693,80.223 82.583,80.333 U14.9@82.583,80.688 U14.2@82.583,81.518 82.583,81.873 82.693,81.983 82.693,82.235 83.563,83.105 83.563,83.34 83.453,83.45 J4.33@83.453,84.101
  Bottom Layer w0.102: v1(61.199,51.969) 61.389,52.16 61.389,53.479 64.298,56.388 77.216,56.388 78.13,57.302 79.42,57.302 80.309,58.191 82.175,58.191 85.944,61.96 85.944,64.58 86.818,65.454 86.818,70.842 86.717,70.943 86.321,70.943 86.056,71.209 86.056,71.643 86.321,71.909 86.717,71.909 86.818,72.01 86.818,72.548 86.68,72.686 86.586,72.78 86.442,72.78 86.163,72.5 85.788,72.5 85.48,72.808 85.48,73.183 85.811,73.513 85.811,73.657 85.667,73.8 85.523,73.8 85.193,73.47 84.818,73.47 84.511,73.778 84.511,74.153 84.79,74.432 84.79,74.576 84.646,74.72 84.503,74.72 84.223,74.44 83.848,74.44 83.541,74.747 83.541,75.123 83.82,75.402 83.82,75.546 83.484,75.881 83.484,77.104 82.693,77.895 82.693,78.258 v1(82.503,78.449) ; v1@82.503,78.5 v1@82.528,78.474